# Altium PCB PCB1.PcbDoc (part 4 of 4) (continued)
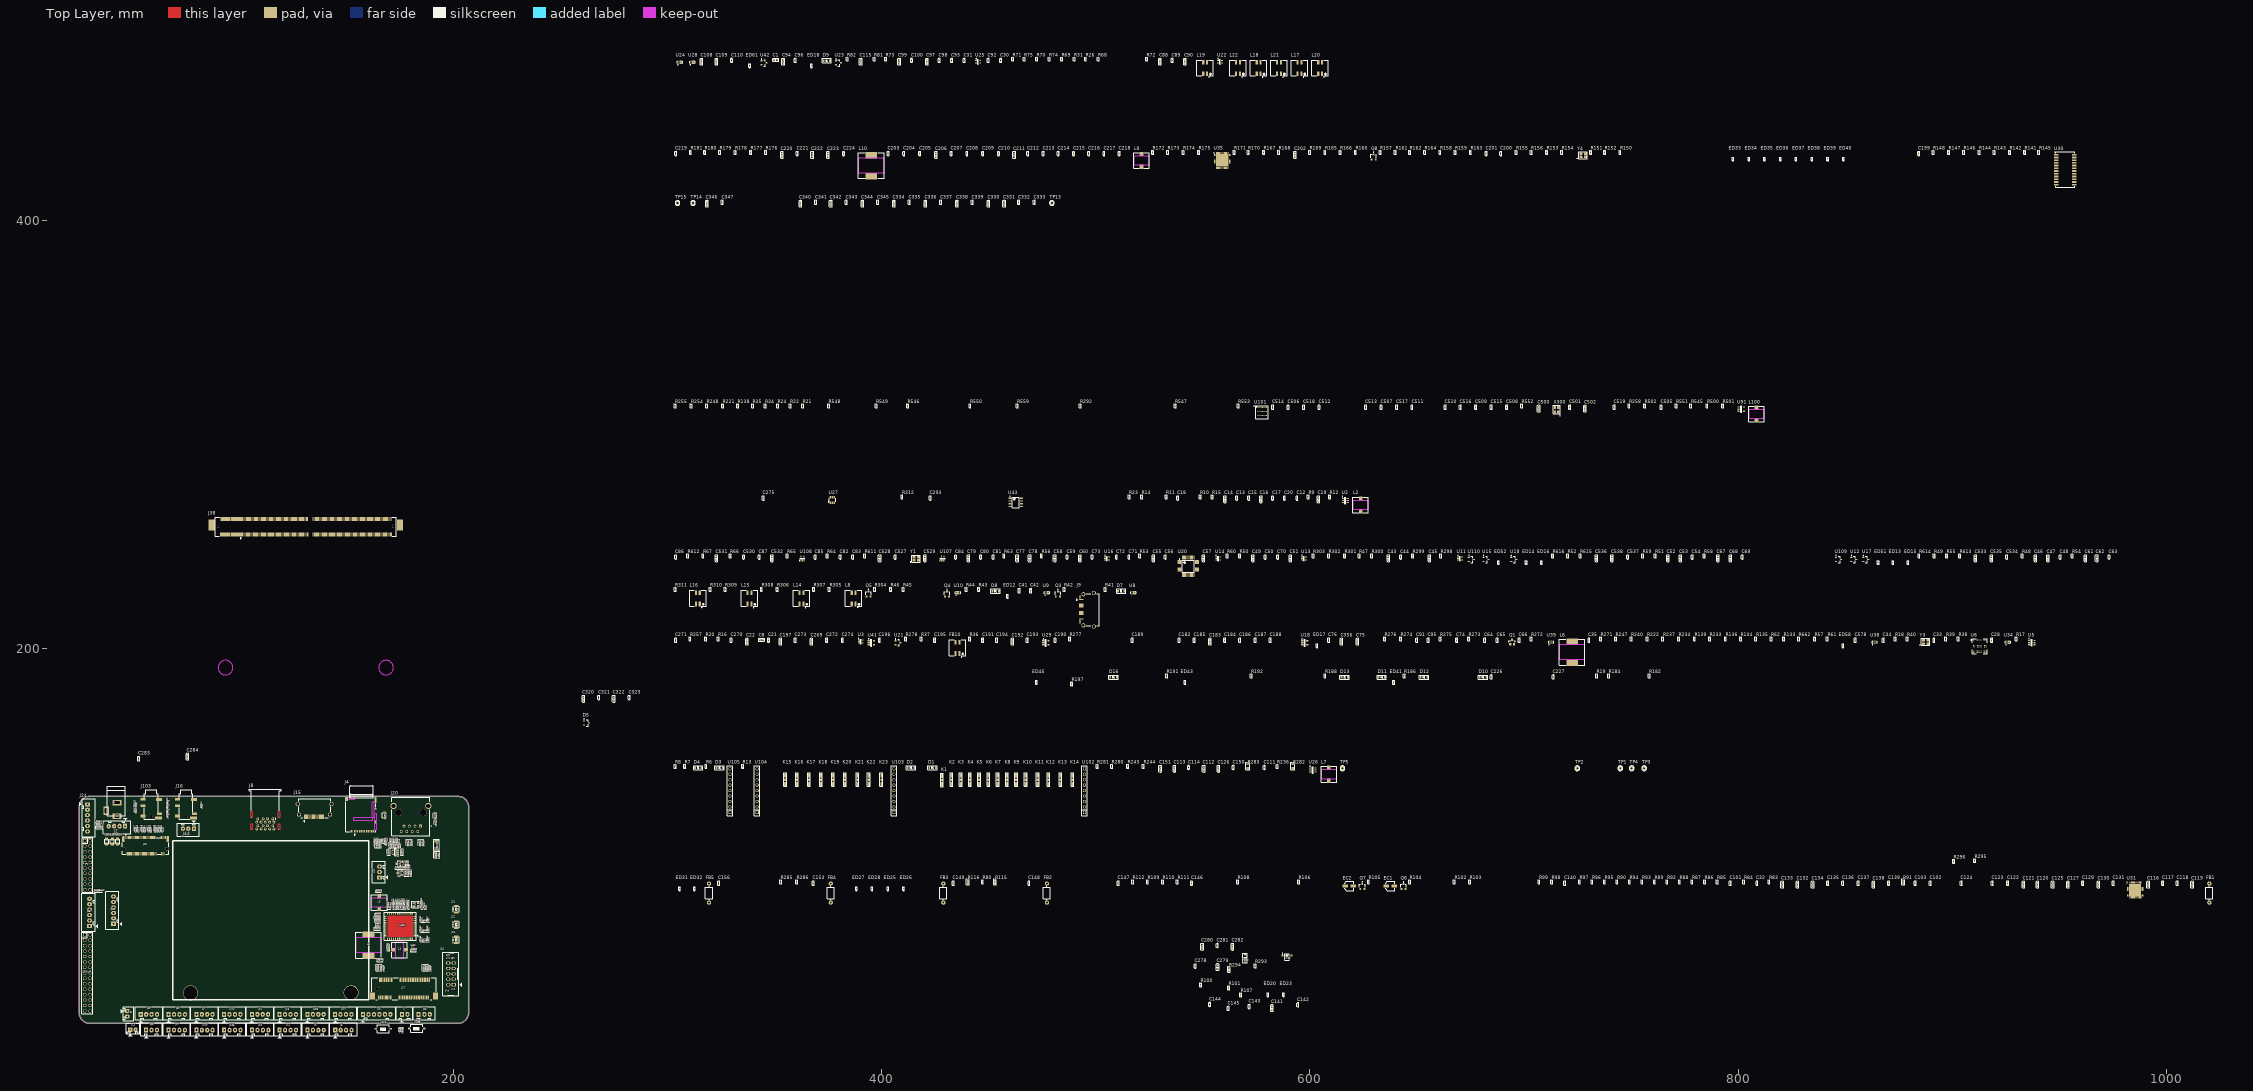
[diagram p0: Top Layer view]
## Nets (pads, with @x,y where several pads share a name; then routed paths per layer and width w, separated by ;. In a path a pad name is that pad's centre, name@x,y a point inside that pad or via, vN(x,y) a via of type N, cw(c..) or ccw(c..) an arc to the next point about the centre after c; other vN are vias at no path point) (continued)
GPIO2_D4_D/HDMIIN_INT: R274.2 R276.1
HDMI_ADUIOMCLK: R271.2 U40.4
HDMI_AUDIOCLK: R233.2 R293.1 U40.2
HDMI_AUDIOLRCK: R234.2 U40.3
HDMI_AUDIOSDO: R237.2 U40.1
HDMI_CEC: J38.191
HDMI_RX0+: U6.D1 U38.1 U38.10
HDMI_RX0-: U6.D2 U38.2 U38.9
HDMI_RX1+: U6.E1 U34.4 U34.7
HDMI_RX1-: U6.E2 U34.5 U34.6
HDMI_RX2+: U6.F1 U34.1 U34.10
HDMI_RX2-: U6.F2 U34.2 U34.9
HDMI_RXC+: U6.C1 U38.4 U38.7
HDMI_RXC-: U6.C2 U38.5 U38.6
HDMI_TX0NA: J9.9 J15.9 L15.3 R309.1 U10.2 U10.9
HDMI_TX0PA: J9.7 J15.7 L15.4 R308.1 U10.1 U10.10
HDMI_TX1NA: J9.6 J15.6 L14.3 R306.1 U9.5 U9.6
HDMI_TX1PA: J9.4 J15.4 L14.4 R307.1 U9.4 U9.7
HDMI_TX2NA: J9.3 J15.3 L8.3 R305.1 U9.2 U9.9
HDMI_TX2PA: J9.1 J15.1 L8.4 R304.1 U9.1 U9.10
HDMI_TXCNA: J9.12 J15.12 L16.3 R311.1 U10.5 U10.6
HDMI_TXCPA: J9.10 J15.10 L16.4 R310.1 U10.4 U10.7
HDMIIN_5V: C578.1 ED58.1 R57.1 R62.1 R136.1 R222.2 R662.1
HDMIIN_CEC: R134.2 R135.1 U39.1 U39.10
HDMIIN_DDC_SCL: R62.2 R133.1 U39.2 U39.9
HDMIIN_DDC_SDA: R57.2 R61.1 U39.4 U39.7
HDMIIN_HPD: R139.1 R662.2 U39.5 U39.6
HOST1_DM: R299.1 R303.1
HOST1_DP: R298.1 R302.1
HOST_DM7: FB10.4 R36.1 U21.1
HOST_DP7: FB10.3 R37.1 U21.2
HP_DET: J38.116
HPO_L: EC2.1 U31.28
HPO_R: EC1.1 U31.26
HUB_DM: R303.2 U20.29
HUB_DM1: J10.3 R48.2 U12.2
HUB_DM2: J11.3 R51.2 U15.2
HUB_DM3: J12.3 R54.2 U17.2
HUB_DM4: J13.3 R58.2 U19.2
HUB_DM5: J105.3 R615.2 U110.2
HUB_DM6: J104.3 R613.2 U109.2
HUB_DM7: R301.2 U20.37
HUB_DP: R302.2 U20.30
HUB_DP1: J10.2 R49.2 U12.1
HUB_DP2: J11.2 R52.2 U15.1
HUB_DP3: J12.2 R55.2 U17.1
HUB_DP4: J13.2 R59.2 U19.1
HUB_DP5: J105.2 R616.2 U110.1
HUB_DP6: J104.2 R614.2 U109.1
HUB_DP7: R300.2 U20.38
HUB_HOST_DM1: R48.1 U20.18
HUB_HOST_DM2: R51.1 U20.16
HUB_HOST_DM3: R54.1 U20.13
HUB_HOST_DM4: R58.1 U20.11
HUB_HOST_DM5: R615.1
HUB_HOST_DM6: R613.1 U20.34
HUB_HOST_DM7: R299.2 R301.1
HUB_HOST_DP1: R49.1 U20.19
HUB_HOST_DP2: R52.1 U20.17
HUB_HOST_DP3: R55.1 U20.14
HUB_HOST_DP4: R59.1 U20.12
HUB_HOST_DP5: R616.1
HUB_HOST_DP6: R614.1 U20.35
HUB_HOST_DP7: R298.2 R300.1
HUB_VCC1V8: C72.1 C79.1 C81.1 C84.1 U20.6 U20.21 U20.25 U20.28
HUB_VCC3V3: C70.2 C71.2 C73.2 C78.1 C80.1 C82.2 C83.1 R60.1 U20.9 U20.15 U20.20 U20.26 U20.31 U20.36 U20.42
I2C1_SCL: R96.2
I2C1_SCL_AUDIO: R96.1 U31.38
I2C1_SCL_CAM: J19.5 J32.5 R76.2
I2C1_SDA: R97.2
I2C1_SDA_AUDIO: R97.1 U31.39
I2C1_SDA_CAM: J19.4 J32.4 R77.2
I2C3_SCL_HDMI: J38.195 Q4.2 R43.1
I2C3_SDA_HDMI: J38.197 Q5.2 R45.1
I2C4_SCL: U43.7
I2C4_SCL_TP: J24.4
I2C4_SDA: U43.6
I2C4_SDA_TP: J24.5
I2S0_CLK: J34.2 R661.2
I2S0_LRCK_RX: J38.279
I2S0_LRCK_TX: J38.281
I2S0_SCLK: J38.277
I2S0_SDI0: J34.6
I2S0_SDO0: J34.5
I2S0_SDO1: J34.8
I2S0_SDO2: J34.7
I2S0_SDO3: J34.10
I2S1_LRCK_RX: R86.1
I2S1_LRCK_TX: R85.1
I2S1_SCLK: R84.1
I2S1_SDI0: R88.1
I2S1_SDO0: R87.1
I2S_CLK: R83.1
IR_INT: D5.2 J38.177 R23.1
IR_MCU: D5.1 R15.2 U45.4
IR_VCC: C19.2 C20.2 J43.1 R12.2
IRRX: D5.3 J43.3
LCD_BL_PWM0: J38.265 J45.3
LCD_BL_PWM1: J33.12 J38.263
LCD_EN: J33.9 J38.100 R250.1
LCD_HPD: JP1.20 R250.2 R291.2
LCD_RST: J33.13 J38.249
LDO1_EN: R89.1 R90.1 U31.44
LED0_AD0: R150.1 R155.2 R156.1 U35.34
LED1_AD1: LED5.1 R153.2 R154.1 U35.35
LED2_RXDLY: R165.2 R166.1 U35.32
LED4: LED3.1 R607.2
LED5: LED1.1 R608.2
LINE_IN_DET: ED62.1 J103.LS J103.RS R80.2
LINE_IN_L: C102.1 ED29.1 J103.L R286.1
LINE_IN_R: C103.1 ED30.1 J103.R R285.1
LINE_OUT_L: R116.1 U31.16
LINE_OUT_R: R115.1 U31.17
LOUT: ED24.1 J16.L R105.1
LVDS_CLK0N: CON40.15 R543.1
LVDS_CLK0P: CON40.16 R544.1
LVDS_CLK1N: CON40.27 R533.1
LVDS_CLK1P: CON40.28 R534.1
LVDS_D0N: CON40.7 R538.1
LVDS_D0P: CON40.8 R537.1
LVDS_D1N: CON40.9 R540.1
LVDS_D1P: CON40.10 R539.1
LVDS_D2N: CON40.11 R541.1
LVDS_D2P: CON40.12 R542.1
LVDS_D3N: CON40.17 R531.1
LVDS_D3P: CON40.18 R530.1
LVDS_D5N: CON40.19 R526.1
LVDS_D5P: CON40.20 R525.1
LVDS_D6N: CON40.21 R528.1
LVDS_D6P: CON40.22 R527.1
LVDS_D7N: CON40.23 R532.1
LVDS_D7P: CON40.24 R529.1
LVDS_D8N: CON40.29 R536.1
LVDS_D8P: CON40.30 R535.1
LVTX1AN: R538.2 U101.C8
LVTX1AP: R537.2 U101.C7
LVTX1BN: R540.2 U101.D8
LVTX1BP: R539.2 U101.D7
LVTX1CN: R541.2 U101.E8
LVTX1CP: R542.2 U101.E7
LVTX1DN: R543.2 U101.F8
LVTX1DP: R544.2 U101.F7
LVTX1EN: R531.2 U101.G8
LVTX1EP: R530.2 U101.G7
LVTX2AN: R526.2 U101.A2
LVTX2AP: R525.2 U101.B2
LVTX2BN: R528.2 U101.A3
LVTX2BP: R527.2 U101.B3
LVTX2CN: R532.2 U101.A4
LVTX2CP: R529.2 U101.B4
LVTX2DN: R533.2 U101.A5
LVTX2DP: R534.2 U101.B5
LVTX2EN: R536.2 U101.A6
LVTX2EP: R535.2 U101.B6
MAC_CLK: J38.21
MAC_MDC: J38.29
MAC_MDIO: J38.27
MAC_RXCLK: J38.59
MAC_RXD0: J38.51
MAC_RXD1: J38.53
MAC_RXD2: J38.55
MAC_RXD3: J38.57
MAC_RXDV: J38.49
MCU_VCC5V: C15.2 C16.2 C17.2 C23.2 D1.1 L2.2 R10.2 R12.1 R15.1 R270.1 U45.1
MIC_IN1N: C124.1 C143.2 C145.1 ED23.1 J14.1 R107.1 R296.2
MIC_IN1P: C123.1 C143.1 C144.1 ED20.1 J14.2 R100.2 R295.2
MIC_IN2P: C32.2 ED22.1 J16.COM2 R99.1
MICBIAS1: R98.2 R101.2 U31.4
MIPI_MCLK0: C155.1 C311.1 J19.9 J32.9 R239.2 R284.2
MIPI_RST: J38.185
MIPI_RX0_CLKN: J19.18 J38.266 U6.C9
MIPI_RX0_CLKP: J19.17 J38.264 U6.C10
MIPI_RX0_D0N: J19.24 J38.254 U6.F9
MIPI_RX0_D0P: J19.23 J38.252 U6.F10
MIPI_RX0_D1N: J19.21 J38.260 U6.E9
MIPI_RX0_D1P: J19.20 J38.258 U6.E10
MIPI_RX0_D2N: J19.15 J38.272 U6.B9
MIPI_RX0_D2P: J19.14 J38.270 U6.B10
MIPI_RX0_D3N: J19.12 J38.278 U6.A9
MIPI_RX0_D3P: J19.11 J38.276 U6.A10
MIPI_TX0_CLKN: J33.23 J38.236 R138.2
MIPI_TX0_CLKP: J33.22 J38.234 R35.2
MIPI_TX0_D0N: J33.17 J38.224 R22.2
MIPI_TX0_D0P: J33.16 J38.222 R21.2
MIPI_TX0_D1N: J33.20 J38.230 R34.2
MIPI_TX0_D1P: J33.19 J38.228 R24.2
MIPI_TX0_D2N: J33.26 J38.242 R248.2
MIPI_TX0_D2P: J33.25 J38.240 R221.2
MIPI_TX0_D3N: J33.29 J38.248 R255.2
MIPI_TX0_D3P: J33.28 J38.246 R254.2
MIPI_TX1/RX1_CLKN: J32.18
MIPI_TX1/RX1_CLKP: J32.17
MIPI_TX1/RX1_D0N: J32.24
MIPI_TX1/RX1_D0P: J32.23
MIPI_TX1/RX1_D1N: J32.21
MIPI_TX1/RX1_D1P: J32.20
MIPI_TX1/RX1_D2N: J32.15
MIPI_TX1/RX1_D2P: J32.14
MIPI_TX1/RX1_D3N: J32.12
MIPI_TX1/RX1_D3P: J32.11
NetC4_1: C4.1 L1.1 U1.2
NetC4_2: C4.2 U1.6
NetC12_1: C12.1 L2.1 U2.6
NetC12_2: C12.2 U2.1
NetC18_2: C18.2 R9.1 R11.2 R188.1 U2.4
NetC29_2: C29.2 U4.4
NetC32_1: C32.1 U31.13
NetC33_2: C33.2 R39.1 Y3.1
NetC34_2: C34.2 R38.2 U5.3 Y3.3
NetC35_2: C35.2 U6.A4
NetC37_1: C37.1 U7.3
NetC37_2: C37.2 U7.1
NetC38_2: C38.2 U7.2
NetC39_1: C39.1 U7.5
NetC39_2: C39.2 U7.4
NetC40_2: C40.2 U7.6
NetC65_2: C65.2 L6.2 Q1.3
NetC66_2: C66.2 Q1.1 R272.1
NetC74_1: C74.1 U6.B7
NetC74_2: C74.2 Q1.2 R275.2
NetC91_2: C91.2 R273.1
NetC95_2: C95.2 R273.2 U6.A6
NetC101_1: C101.1 U31.14
NetC102_2: C102.2 U31.7
NetC103_2: C103.2 U31.8
NetC104_2: C104.2 Q2.1 R113.2 R201.1
NetC105_2: C105.2 Q17.1 R114.2 R200.1
NetC111_1: C111.1 L7.1 U26.2
NetC111_2: C111.2 U26.6
NetC120_1: C120.1 U31.20
NetC120_2: C120.2 U31.21
NetC121_1: C121.1 U31.24
NetC122_1: C122.1 U31.27
NetC123_2: C123.2 U31.5
NetC124_2: C124.2 U31.6
NetC125_1: C125.1 U31.19
NetC125_2: C125.2 U31.18
NetC132_2: C132.2 U31.11
NetC133_2: C133.2 U31.12
NetC140_1: C140.1 R98.1 R99.2
NetC141_1: C141.1 C142.1 R100.1 R101.1
NetC147_2: C147.2 Q6.3 Q7.3 R111.1
NetC157_1: C157.1 C159.1 J21.1
NetC158_1: C158.1 C160.1 J22.1
NetC159_2: C159.2 C161.1 U32.9
NetC160_2: C160.2 C162.1 U32.2
NetC163_1: C163.1 C164.1 J23.1
NetC164_2: C164.2 C165.1 U32.48
NetC166_2: C166.2 R119.1 Y2.3
NetC167_2: C167.2 R120.1 Y2.1
NetC168_2: C168.2 C173.2 L5.1 U32.25
NetC171_2: C171.2 C172.2 L4.1 U32.36
NetC174_2: C174.2 C175.2 R121.1 U32.34
NetC189_1: C189.1 U18.4
NetC190_1: C190.1 R277.1 U18.3
NetC195_1: C195.1 U29.4
NetC196_1: C196.1 R278.1 U29.3
NetC198_1: C198.1 C276.1 C277.1 J20.9 J20.10
NetC198_2: C198.2 R287.1 R288.1 R289.1 R290.1
NetC199_2: C199.2 U30.3 U30.4 U30.9 U30.10
NetC202_1: C202.1 R160.1
NetC225_2: C225.2 Q9.1 R183.1 R185.2
NetC228_2: C228.2 R196.2
NetC229_1: C229.1 R208.2
NetC229_2: C229.2 L11.1 U36.3
NetC230_1: C230.1 R210.1 R214.2 R218.2
NetC231_1: C231.1 L12.1 U37.6
NetC231_2: C231.2 U37.1
NetC237_1: C237.1 R213.1 U36.7
NetC239_1: C239.1 R217.1 R220.2 U37.3
NetC242_1: C242.1 R211.1 R219.1 R256.1 U37.4
NetC245_2: C245.2 J28.55
NetC246_2: C246.2 J28.53
NetC247_2: C247.2 J28.49
NetC248_2: C248.2 J28.47
NetC250_2: C250.2 J28.37
NetC251_2: C251.2 J28.35
NetC252_2: C252.2 J28.25
NetC253_2: C253.2 J28.23
NetC256_2: C256.2
NetC257_2: C257.2 J28.11
NetC266_2: C266.2 ED48.1 J27.10 J29.C7 R227.1
NetC267_2: C267.2 ED49.1 J27.12 J29.C3 R226.1
NetC268_2: C268.2 ED50.1 J27.14 J29.C2 R225.1
NetC270_1: C270.1 U41.4
NetC271_1: C271.1 R20.1 R257.1 U41.3
NetC278_1: C278.1 C279.1 R294.2 U40.9
NetC280_1: C280.1 U40.6
NetC281_1: C281.1 C282.1 U40.5
NetC357_1: C357.1 R262.1 R263.2 R265.2
NetC360_1: C360.1 R261.2
NetC360_2: C360.2 L13.1 U44.3
NetC361_1: C361.1 R266.2 U44.7
NetC577_2: C577.2 R672.2 U106.20 Y5.1
NetC581_2: C581.2 R672.1 U106.19 Y5.3
NetC585_2: C585.2 J38.163 R673.1 U106.8
NetD2_1: D2.1 ED2.1 J3.1
NetD3_1: D3.1 R6.1 R13.1
NetD4_1: D4.1 R7.1
NetD7_2: D7.2 R42.2
NetD8_2: D8.2 R44.2 R46.2
NetD11_2: D11.2 ED43.1 J25.1 R187.2
NetD12_1: D12.1 R186.2
NetD13_1: D13.1 R188.2
NetD14_1: D14.1 R192.2
NetD15_1: D15.1 R193.2
NetD22_2: D22.2 R268.1 U45.6
NetEC1_2: EC1.2 Q6.1 R102.2
NetEC2_2: EC2.2 Q7.1 R103.2
NetED4_1: ED4.1 J4.8 R33.2
NetED5_1: ED5.1 J4.7 R32.2
NetED6_1: ED6.1 J4.5 R29.2
NetED7_1: ED7.1 J4.3 R28.2
NetED8_1: ED8.1 J4.2 R30.2
NetED9_1: ED9.1 J4.1 R27.2
NetED27_1: ED27.1 J44.1 R115.2
NetED28_1: ED28.1 J44.3 R116.2
NetJ4_P1: J4.P1 J4.P2 J4.P3 J4.P4
NetJ18_2: J18.2 J38.89 R239.1
NetJ18_3: J18.3 J38.63
NetJ18_4: J18.4 J38.81
NetJ18_5: J18.5 J38.87
NetJ19_7: J19.7 J38.67
NetJ24_2: J24.2 J38.255
NetJ24_3: J24.3 J33.14
NetJ28_38: J28.38 R224.1
NetJ32_7: J32.7 J38.83
NetJ33_5: J33.5 R241.1
NetJ38_65: J38.65 R312.1 U43.4
NetJ38_69: J38.69 R203.1
NetJ38_71: J38.71 R257.2
NetJ38_73: J38.73 R212.2
NetJ38_75: J38.75 R291.1
NetJ38_77: J38.77 R249.2
NetJ38_78: J38.78 R258.2
NetJ38_79: J38.79 R202.1
NetJ38_97: J38.97 TP13.1
NetJ38_99: J38.99 R313.2
NetJ38_101: J38.101 R314.2
NetJ38_103: J38.103
NetJ38_105: J38.105
NetJ38_114: J38.114 U6.J4
NetJ38_124: J38.124
NetJ38_165: J38.165 R25.2 U4.3
NetJ38_179: J38.179 R256.2
NetJ38_183: J38.183 U6.K6
NetJ38_189: J38.189 R292.2 R559.2
NetJ38_199: J38.199
NetJ38_204: J38.204 L8.1 R304.2
NetJ38_206: J38.206 L8.2 R305.2
NetJ38_208: J38.208 L14.1 R307.2
NetJ38_210: J38.210 L14.2 R306.2
NetJ38_212: J38.212 L15.1 R308.2
NetJ38_214: J38.214 L15.2 R309.2
NetJ38_216: J38.216 L16.1 R310.2
NetJ38_218: J38.218 L16.2 R311.2
NetL3_2: L3.2 U33.B2
NetL5_2: L5.2 U32.26
NetL100_1: L100.1 U91.3
NetLED4_1: LED4.1 R229.1
NetLED4_2: LED4.2 Q15.3
NetQ2_3: Q2.3 R607.1
NetQ6_2: Q6.2 R102.1 R104.2 R110.2
NetQ7_2: Q7.2 R103.1 R105.2 R109.2
NetQ10_1: Q10.1 R189.1 R190.1 R194.1
NetQ10_3: Q10.3 R185.1
NetQ12_1: Q12.1 R202.2 R205.1
NetQ12_3: Q12.3 R200.2
NetQ13_1: Q13.1 R203.2 R206.1
NetQ13_3: Q13.3 R201.2
NetQ14_1: Q14.1 R230.1 R231.1
NetQ14_3: Q14.3 Q15.1 R228.1 R232.1
NetQ17_3: Q17.3 R608.1
NetQ21_1: Q21.1 R137.1
NetQ21_3: Q21.3 R140.2 U119.2 U119.3
NetR1_1: R1.1 R3.1 R4.2 U1.5
NetR2_1: R2.1 R5.1 U1.4
NetR7_2: R7.2 R189.2
NetR10_1: R10.1 R14.1 U2.3
NetR16_2: R16.2 U3.3
NetR17_1: R17.1 U6.J7
NetR17_2: R17.2 U5.6
NetR18_1: R18.1 U6.K4
NetR38_1: R38.1 R39.2 U5.1 U5.4
NetR40_1: R40.1 U6.G5
NetR47_1: R47.1 U11.3
NetR50_1: R50.1 U13.3
NetR53_1: R53.1 U14.3
NetR56_1: R56.1 U16.3
NetR60_2: R60.2 U20.40
NetR61_2: R61.2 U6.J2
NetR63_1: R63.1 U20.27
NetR72_1: R72.1 U22.3
NetR73_1: R73.1 U25.3
NetR83_2: R83.2 U31.37
NetR84_2: R84.2 U31.36
NetR85_2: R85.2 R86.2 U31.35
NetR87_2: R87.2 U31.33
NetR88_2: R88.2 U31.34
NetR92_2: R92.2 U31.30
NetR93_2: R93.2 U31.29
NetR94_2: R94.2 U31.31
NetR95_2: R95.2 U31.32
NetR118_2: R118.2 U32.12
NetR119_2: R119.2 U32.13
NetR120_2: R120.2 U32.14
NetR133_2: R133.2 U6.J1
NetR135_2: R135.2 U6.H2
NetR136_2: R136.2 U6.K3
NetR139_2: R139.2 U6.J3
NetR207_1: R207.1 R215.2 R249.1 U36.6
NetR208_1: R208.1 U36.5
NetR209_2: R209.2 X1.1
NetR212_1: R212.1 R260.1 R267.1 U44.6
NetR213_2: R213.2 R216.2 U36.1
NetR214_1: R214.1 U36.8
NetR233_1: R233.1 U6.J9
NetR234_1: R234.1 U6.H10
NetR236_1: R236.1 R244.1 R280.2 U26.5
NetR237_1: R237.1 U6.H9
NetR240_2: R240.2 U6.A2
NetR243_1: R243.1 R281.1 U26.4
NetR247_2: R247.2 U6.G4
NetR258_1: R258.1 R500.1 U91.1
NetR261_1: R261.1 U44.5
NetR264_1: R264.1 R266.1 U44.1
NetR265_1: R265.1 U44.8
NetR269_1: R269.1 U45.7
NetR271_1: R271.1 U6.G10
NetR272_2: R272.2 U6.A5
NetR284_1: R284.1 X1.3
NetR287_2: R287.2 U30.15
NetR288_2: R288.2 U30.16
NetR289_2: R289.2 U30.21
NetR290_2: R290.2 U30.22
NetR295_1: R295.1
NetR296_1: R296.1
NetR501_2: R501.2 R502.2 U91.5
NetR545_2: R545.2 X300.4
NetR546_1: R546.1 U101.G1
NetR547_2: R547.2 R553.1 U101.C3
NetR548_1: R548.1 U101.D5
NetR549_1: R549.1 U101.H1
NetR550_1: R550.1 U101.D1
NetR551_2: R551.2 X300.1
NetR559_1: R559.1 U101.D4
NetR611_1: R611.1 U107.3
NetR612_1: R612.1 U108.3
NetU20_22: U20.22 Y1.1
NetU20_23: U20.23 Y1.3
NetU20_32: U20.32
NetU20_33: U20.33
OTP_RST: J38.241 R193.1
OVCJ1: C86.1 R66.2 U20.45
OVCJ5: C85.1 R64.2 U20.43
PA_PU: R118.1 U33.A1
PCIE_3V3: C233.2 C239.2 C240.2 C258.2 C259.2 C260.2 C261.2 C262.2 C263.2 J28.2 J28.4 J28.62 J28.64 J28.66 L12.2 R217.2 R224.2 R228.2 R229.2
PCIE_CLKREQ: J28.52 J38.257
PCIE_REF_CLKN: C246.1 J38.111
PCIE_REF_CLKP: C245.1 J38.109
PCIE_RST: J28.50 J38.259
PCIE_RX0_N: J28.41 J38.121
PCIE_RX0_P: J28.43 J38.123
PCIE_RX1_N: J28.29 J38.133
PCIE_RX1_P: J28.31 J38.135
PCIE_RX2_N: J38.145
PCIE_RX2_P: J38.147
PCIE_RX3_N: J28.5 J38.157
PCIE_RX3_P: J28.7 J38.159
PCIE_TX0N: C248.1 J38.115
PCIE_TX0P: C247.1 J38.117
PCIE_TX1N: C251.1
PCIE_TX1P: C250.1
PCIE_TX2N: C253.1 J38.139
PCIE_TX2P: C252.1 J38.141
PCIE_TX3N: C257.1 J38.151
PCIE_TX3P: C256.1 J38.153
PCIE_WAKE: J28.54 J38.261
PE_RST: C249.2 J27.22 R192.1 R223.1
PHY_CLKOUT125: R171.2 U35.46
PHY_INT: J38.31
PHY_PMEB: Q8.1 R169.1 U35.33
PHY_PMEB_1.8V: J38.25
PHY_RST: J38.23
PHY_RXCLK: C219.1 R180.1 U35.19
PHY_RXD0: R174.2 R175.1 R176.1 U35.14
PHY_RXD1: R167.2 R168.1 R177.1 U35.16
PHY_RXD2: R158.2 R159.1 R178.1 U35.17
PHY_RXD3: R161.2 R162.1 R179.1 U35.18
PHY_RXDV: R151.2 R152.1 R181.1 U35.13
PHY_TXCLK: J38.45
PHY_TXD0: J38.43
PHY_TXD1: J38.41
PHY_TXD2: J38.39
PHY_TXD3: J38.37
PHY_TXEN: J38.35
PHY_XTAL1: C200.1 U35.42 Y4.3
PHY_XTAL2: C201.1 U35.43 Y4.1
PHYRST: C203.1 C204.1 C205.1 C206.1 C207.1 C208.1 C209.1 C210.1 C220.1 C221.1 C223.1 C224.1 L10.2 LED2.1 R152.2 R154.2 R156.2 R159.2 R160.2 R162.2 R164.2 R166.2 R168.2 R169.2 R170.2 R173.2 R175.2 U35.6 U35.15 U35.21 U35.29 U35.37 U35.41 U35.44 U35.45
PORT_CEC: J9.13 J15.13 Q3.1 R42.1 U8.1 U8.10
PORT_HPD: J9.19 J15.19 U8.5 U8.6
POWER-1V2: C501.1 C502.1 C506.1 C508.1 C510.1 C512.1 C514.1 C515.1 C518.1 L100.2 R501.1 U101.B1 U101.B8 U101.E2 U101.E4 U101.F3 U101.F6
POWER_ON: J38.173 R197.1
PWR: J7.1 R199.2 R297.2
PWR_EN: D3.2 D4.2 R8.1
PWR_EN_SYS: R269.2 R270.2
PWR_KEY_L: D16.1 J38.187
PWR_ON: D16.2 ED45.1 J109.3 R117.1 R197.2 R199.1
RECOVER: C227.1 J38.122 R182.2 R184.1
RECOVER_KEY: ED42.1 J109.2 KEY5.1 R184.2
REFCLK: R550.2 R552.1 X300.3
REGOUT: L9.1 U35.48
RES: ED44.1 KEY6.1 R117.2 R235.2
RESET: D12.2 D13.2 D14.2 D15.2 R235.1 R297.1
RESET_L: J38.181 R186.1
RGMII_GR-: LED5.2 R149.2
RGMII_YE-: LED2.2 R150.2
ROUT: ED21.1 J16.R R104.1
RS232_RX: ED10.1 J5.2 U7.14
RS232_RX2: R259.2 U7.7
RS232_TX: ED11.1 J5.3 U7.13
RS232_TX3: R279.2 U7.8
RS485_A: ED57.1 J6.2 R656.2 R658.1 U119.6
RS485_B: ED56.1 J6.3 R657.1 R658.2 U119.7
RSET: R157.1 U35.39
RTC_CLK_OUT: J28.60 J38.201
RTC_CLKO_WIFI: J38.237
RX_2: R78.1 U7.9
RX_C: ED55.1 J107.2 R238.1 R259.1
RXA: U106.15 U119.1
RXB: U7.12 U106.12
RXC: R78.2 R238.2 R313.1 U106.17
RXD: ED54.1 J108.2 U106.6
SDIO0_CLK: J38.227
SDIO0_CMD: J38.229
SDIO0_D0: J38.221
SDIO0_D1: J38.219
SDIO0_D2: J38.223
SDIO0_D3: J38.225
SDIO_CLK: C181.2 R131.1 U32.18
SDIO_CMD: C180.2 R129.1 U32.17
SDIO_D0: C176.2 R122.1 U32.21
SDIO_D1: C177.2 R123.1 U32.22
SDIO_D2: C178.2 R124.1 U32.20
SDIO_D3: C179.2 R126.1 U32.19
SDMMC0_CLK: J38.92 R29.1
SDMMC0_CMD: J38.90 R28.1
SDMMC0_D0: J38.94 R32.1
SDMMC0_D1: J38.96 R33.1
SDMMC0_D2: J38.86 R27.1
SDMMC0_D3: J38.88 R30.1
SDMMC0_DET_L: ED3.1 J4.SWB J38.84
SPI1_CLK/GPIO1_B1_U: U106.3
SPI1_CSN0/GPIO1_B2_U: U106.2
SPI1_RXD/UART4_RX: U106.5
SPI1_TXD/UART4_TX: U106.4
SPK_LN: C149.2 ED26.1 FB3.2 J17.2
SPK_LN1: FB3.1 U31.48
SPK_LP: C148.1 ED25.1 FB2.2 J17.1
SPK_LP1: FB2.1 U31.1
SPK_RN: C156.2 ED32.1 FB5.2 J17.4
SPK_RN1: FB5.1 U31.47
SPK_RP: C153.1 ED31.1 FB4.2 J17.3
SPK_RP1: FB4.1 U31.45
TDN0: ED34.1 R147.2 U30.11
TDN1: ED36.1 R144.2 U30.7
TDN2: ED38.1 R142.2 U30.5
TDN3: ED40.1 R145.2 U30.1
TDN_0: R147.1 U35.2
TDN_1: R144.1 U35.5
TDN_2: R142.1 U35.8
TDN_3: R145.1 U35.11
TDP0: ED33.1 R148.2 U30.12
TDP1: ED35.1 R146.2 U30.8
TDP2: ED37.1 R143.2 U30.6
TDP3: ED39.1 R141.2 U30.2
TDP_0: R148.1 U35.1
TDP_1: R146.1 U35.4
TDP_2: R143.1 U35.7
TDP_3: R141.1 U35.10
TP_INT: R315.1
TP_INT1: J33.10 J38.247
TP_RST: Q16.1 R252.1 R253.1
TP_RST_1.8V: Q16.2 R251.1 R253.2
TX_2: R79.1 U7.10
TX_C: ED59.1 J107.3 R242.1 R279.1
TXA: R137.2 U106.14 U119.4
TXB: U7.11 U106.11
TXC: R79.2 R242.2 R314.1 U106.16
TXD: ED53.1 J108.3 U106.7
TYPEC0_DM: J38.182 R26.1
TYPEC0_DM_: J8.2 L17.1 R26.2 U42.1
TYPEC0_DP: J38.184 R31.1
TYPEC0_DP_: J8.3 L17.2 R31.2 U42.2
TYPEC0_ID: J38.245 TP15.1
TYPEC0_RX1N: J38.192 R74.1
TYPEC0_RX1N_: J8.5 L18.1 R74.2 U28.5 U28.6
TYPEC0_RX1P: J38.190 R75.1
TYPEC0_RX1P_: J8.6 L18.2 R75.2 U28.4 U28.7
TYPEC0_RX2N: J38.180
TYPEC0_RX2P: J38.178
TYPEC0_SBU1: J38.194
TYPEC0_SBU1_DC: J38.200
TYPEC0_SBU2: J38.196
TYPEC0_SBU2_DC: J38.198
TYPEC0_TX1N: C30.2 J38.186
TYPEC0_TX1P: C31.2 J38.188
TYPEC0_TX2N: J38.174
TYPEC0_TX2P: J38.176
TYPEC0_U2VBUSDET: C115.1 D9.2 J38.106 R81.2 R82.2
TYPEC1_ID: J38.243 TP14.1
TYPEC1_RX2N: J38.154
TYPEC1_RX2P: J38.152
TYPEC1_SBU1: J38.140
TYPEC1_SBU1_DC: J38.158
TYPEC1_SBU2: J38.142
TYPEC1_SBU2_DC: J38.160
TYPEC1_TX2N: J38.146
TYPEC1_TX2P: J38.148
TYPEC1_U2VBUSDET: J38.108
TYPECTX1N: C30.1 J8.8 L19.1 U28.1 U28.10
TYPECTX1P: C31.1 J8.9 L19.2 U28.2 U28.9
U27_VCC: C24.2 C104.1 C105.1 C106.2 C107.2 C182.1 C191.1 C275.1 C283.1 C284.1 C289.2 C293.2 C320.1 C321.1 C334.1 C335.1 C505.1 C507.1 C513.1 C519.1 D7.1 J18.1 J38.20 J38.22 J38.24 J41.1 J41.2 J47.1 J101.5 L4.2 Q2.2 Q17.2 R25.1 R113.1 R114.1 R204.1 R207.2 R211.2 R292.1 R312.2 R545.1 R551.1 R553.2 U4.1 U18.1 U27.6 U29.1 U43.1 U101.C2 U101.F2
UART0_CTS: J38.211
UART0_RTS: J38.209
UART0_RXD: J38.215
UART0_TXD: J38.213
UART2_RXD: D20.2 ED47.1 J26.3
UART2_TXD: ED46.1 J26.2 R198.2
UART2DBG_RX: D20.1 J38.253 R204.2
UART2DBG_TX: D6.2 J38.251 R198.1
UIM_PWR: C264.2 C265.2 J27.8 J29.C1 R225.2 R226.2 R227.2
USB3_DM: J38.172 R68.2 R69.2
USB3_DM_: J8.11 L20.4 R68.1 U23.2
USB3_DP: J38.170
USB3_DP_: J8.12 L20.3 R69.1 U23.1
USB3_SSRXN: J38.168 R70.2
USB3_SSRXN_: J8.14 L21.4 R70.1 U24.5 U24.6
USB3_SSRXP: L21.2
USB3_SSRXP_: J8.15 L21.3 R71.1 U24.4 U24.7
USB3_SSTXN: L22.1
USB3_SSTXN_: C92.2 J8.17 L22.4 U24.2 U24.9
USB3_SSTXP: L22.2
USB3_SSTXP_: C93.2 J8.18 L22.3 U24.1 U24.10
USB_5V: C43.1 C44.1 C49.1 C50.1 C55.1 C56.1 C58.1 C59.1 C112.2 C126.2 C150.2 C527.1 C528.1 C530.1 C531.1 L7.2 R243.2 R282.2 R283.2 TP5.1 U11.5 U13.5 U14.5 U16.5 U107.5 U108.5
VBUS_TYPEC: C99.1 C100.1 C108.1 C109.1 C110.1 ED61.1 J8.1 R81.1 U25.1
VBUSM: C87.1 R65.1 R67.2 U20.41
VCC: C36.2 C357.2 C358.2 C359.2 C362.2 C572.2 C573.1 C574.1 C580.1 C586.1 ED60.1 J5.4 J6.4 J107.4 J108.4 L13.2 R140.1 R262.2 R656.1 R671.2 R673.2 U7.16 U106.9 U106.18 U119.8
VCC1V8_DVP: C128.1 C344.1 C345.1 J38.93 R209.1 X1.4
VCC2V8_DVP: C346.1 C347.1 J38.95
VCC3V0_SD: C25.2 C26.2 C27.2 J4.4 U4.5
VCC3V3_3G: C230.2 C232.2 C235.2 C238.2 C243.2 C244.2 C254.2 C255.2 C290.2 C291.2 C292.2 J27.2 J27.39 J27.41 J27.52 L11.2 R210.2 R223.2
VCC3V3_S3: C222.1 C336.1 C337.1 J38.26 J38.28 J38.30 L10.1
VCC5V0_HOST1: C45.1 C46.2 C47.2 C48.2 ED13.1 J10.4 U11.1
VCC5V0_HOST2: C51.1 C52.2 C53.2 C54.2 ED14.1 J11.4 U13.1
VCC5V0_HOST3: C57.1 C61.2 C62.2 C63.2 ED15.1 J12.4 U14.1
VCC5V0_HOST4: C60.1 C67.2 C68.2 C69.2 ED16.1 J13.4 U16.1
VCC5V0_HOST5: C529.1 C536.2 C537.2 C538.2 ED52.1 J105.4 U107.1
VCC5V0_HOST6: C532.1 C533.2 C534.2 C535.2 ED51.1 J104.4 U108.1
VCC5V0_HOST7: C22.1 C75.1 C76.1 C356.1 ED17.1 U3.1
VCC5V0_HOST_EN: U22.4 U25.4
VCC5V0_TYPEC0_EN: J38.102
VCC5V0_USB: C1.1 C90.1 C94.1 C96.1 ED18.1 J8.10 U22.1
VCC18_HDMIIN: C28.1 C192.1 C193.1 C194.1 R18.2 R274.1 U5.5 U6.K7 U29.5
VCC33_HDMIIN: C64.2 C269.1 C272.1 C273.1 C274.1 L6.1 R134.1 R240.1 R277.2 R278.2 R293.2 R294.1 U6.B1 U6.G1 U6.K2 U41.5
VCC_1V8: C285.2 C286.2 C340.1 C341.1 C509.1 C511.1 C516.1 C517.1 J38.38 J38.40 Q8.3 Q16.3 R23.2 R121.2 R125.1 R127.1 R128.1 R130.1 R132.1 R163.1 R251.2 U101.B7 U101.C5 U101.D6 U101.H7
VCC_3V0: C318.1 C319.1 C328.1 C329.1 C338.1 C339.1 J24.1 J33.6 J38.34 J38.36 JP1.19 Q3.3 Q4.3 Q5.3 R41.2 R43.2 R45.2 R252.2 R315.2
VCC_LCD: C326.1 C327.1 C503.1 C504.1 CON40.1 CON40.2 CON40.3 J101.2 J101.4 J101.6 JP1.1 JP1.2
VCC_RTC: D1.2 D2.2 J38.42
VCC_SPK: C118.1 C119.1 FB1.2 U31.2 U31.46
VCC_SYS: C8.1 C9.2 C10.2 C11.2 C21.1 C41.1 C42.1 C77.1 C88.1 C89.1 C97.1 C98.1 C116.1 C117.1 C152.1 C154.1 C169.2 C197.1 C287.1 C288.1 C312.1 C313.1 C315.1 C316.1 C322.1 C323.1 C324.1 C325.1 C330.1 C331.1 C332.1 C333.1 C355.2 C500.1 D8.1 ED12.1 FB1.1 J9.18 J15.18 J19.1 J32.1 J33.1 J33.2 J33.3 J38.1 J38.3 J38.5 J38.7 J38.9 J38.11 J38.13 J38.15 J38.17 J42.1 J42.2 J101.3 L1.2 R2.2 R20.2 R64.1 R65.2 R66.1 R267.2 R282.1 R283.1 R500.2 TP4.1 U3.5 U20.8 U22.5 U25.5 U33.A2 U41.1 U91.4
VCCA1V8_CODEC: C134.1 C135.1 C136.1 C137.1 C352.1 C353.1 J38.271 J38.273 R89.2 R91.1 U31.15 U31.23 U31.43
VCCA1V8_S3: C342.1 C343.1 J38.44 R19.2 R80.1 R106.2 R182.1 R191.2
VCCA3V0_CODEC: C127.1 C129.1 C350.1 C351.1 J38.267 J38.269 U31.3
VDD10_EPHY: C211.1 C212.1 C213.1 C214.1 C215.1 C216.1 C217.1 C218.1 L9.2 U35.3 U35.9 U35.28 U35.36 U35.40
VDD12_HDMIIN: C183.1 C184.1 C185.1 C186.1 C187.1 C188.1 U6.A1 U6.A3 U6.A8 U6.D10 U6.H1 U6.K1 U6.K10 U18.5
VDD_CODEC: C130.1 C131.1 U31.42
WIFI_HOST_WAKE_L: J38.231
WIFI_REG_ON_H: J38.233
WK2124_INT: R671.1 U106.10
pads on no net: C15.1 C92.1 C93.1 C146.2 D22.1 ED19.1 FB10.1 FB10.2 J4.SWA J8.None J9.14 J15.14 J16.LS J16.None J16.RS J19.6 J19.MP1 J19.MP2 J20.None J27.1 J27.3 J27.5 J27.6 J27.7 J27.11 J27.13 J27.16 J27.17 J27.19 J27.20 J27.23 J27.24 J27.25 J27.28 J27.30 J27.31 J27.32 J27.33 J27.42 J27.44 J27.45 J27.46 J27.47 J27.48 J27.49 J27.51 J27.55 J27.56 J28.6 J28.8 J28.20 J28.22 J28.24 J28.26 J28.28 J28.30 J28.32 J28.34 J28.36 J28.40 J28.42 J28.44 J28.46 J28.48 J28.56 J28.58 J28.59 J28.61 J28.70 J28.71 J28.72 J28.73 J28.74 J28.75 J28.None J28.S1 J28.S2 J29.C6 J29.X1 J29.X2 J32.6 J32.MP1 J32.MP2 J33.7 J33.8 J34.1 J34.3 J34.4 J38.82 J38.104 J38.162 J38.164 J38.166 J38.167 J38.169 J38.171 J38.193 J38.E1 J38.E2 J38.E3 J38.E4 J38.None J38.P1 J38.P2 J47.2 J47.3 J103.COM2 J103.None L17.3 L17.4 L18.3 L18.4 L19.3 L19.4 L20.1 L20.2 L21.1 Q3.2 Q8.2 R3.2 R36.2 R37.2 R41.1 R71.2 R76.1 R77.1 R92.1 R93.1 R94.1 R95.1 R106.1 R108.1 R122.2 R123.2 R124.2 R125.2 R126.2 R127.2 R128.2 R129.2 R130.2 R131.2 R132.2 R163.2 R164.1 R170.1 R171.1 R176.2 R177.2 R178.2 R179.2 R180.2 R181.2 R244.2 R245.1 R245.2 R246.1 R246.2 R546.2 R549.2 R661.1 U3.4 U6.J5 U6.J6 U6.J10 U6.K5 U6.K8 U6.K9 U11.4 U13.4 U14.4 U16.4 U20.1 U20.2 U20.3 U20.4 U20.5 U20.7 U20.44 U20.46 U20.47 U20.48 U27.1 U27.3 U27.4 U27.5 U31.40 U31.41 U32.15 U32.16 U32.24 U32.31 U32.33 U32.35 U32.38 U32.40 U32.41 U32.42 U32.43 U32.44 U32.45 U32.46 U32.47 U32.49 U32.50 U35.12 U35.20 U35.22 U35.23 U35.24 U35.25 U35.26 U35.27 U35.30 U35.31 U43.2 U43.3 U43.5 U45.2 U45.3 U45.5 U101.C4 U101.D2 U101.D3 U101.E3 U107.4 U108.4

## Keep-outs
Keep-Out Layer:
  the board outline again, w0.1

## Silkscreen, mask and mechanical layers (free items; w line width, h text height)
Top Overlay:
  lines w0.75: 68.8,36.1 68.8,110.3 160.3,110.3 160.3,36.1 68.8,36.1

## Text inside footprints (layer, text, board x,y; h text height)
J4: Mechanical 13 "PCB Edge" at 161.758,130.475 h1.88 r180; Mechanical 13 "PCB Edge" at 161.758,130.475 h1.88 r180
J9: Mechanical 13 "PCB EDGE" at 501.75,215.138 h1.88 r90; Mechanical 13 "PCB EDGE" at 501.75,215.138 h1.88 r90
J15: Mechanical 13 "PCB EDGE" at 138.048,130.093 h1.88 r180; Mechanical 13 "PCB EDGE" at 138.048,130.093 h1.88 r180
J34: Top Overlay "1" at 200.75,40.245 h1.52 r90; Top Overlay "2" at 197.714,39.591 h1.52 r90; Top Overlay "9" at 200.61,54.729 h1.52 r90; Top Overlay "10" at 198.197,54.602 h1.52 r90